# Altium PCB 0.PCB1.PcbDoc (part 6 of 12)
Units mm, origin at the board's own origin, x right, y up, seen from the top; angles counter-clockwise.
Board outline 77 x 72 mm, 6 copper layers (Top Layer, Layer 1, Layer 3, Layer 4, Layer 2, Bottom Layer), stack 1.538 mm thick; 570 components, 490 nets, 3331 pads, 1909 vias.
Unrouted connection lines stored in the file: 2.
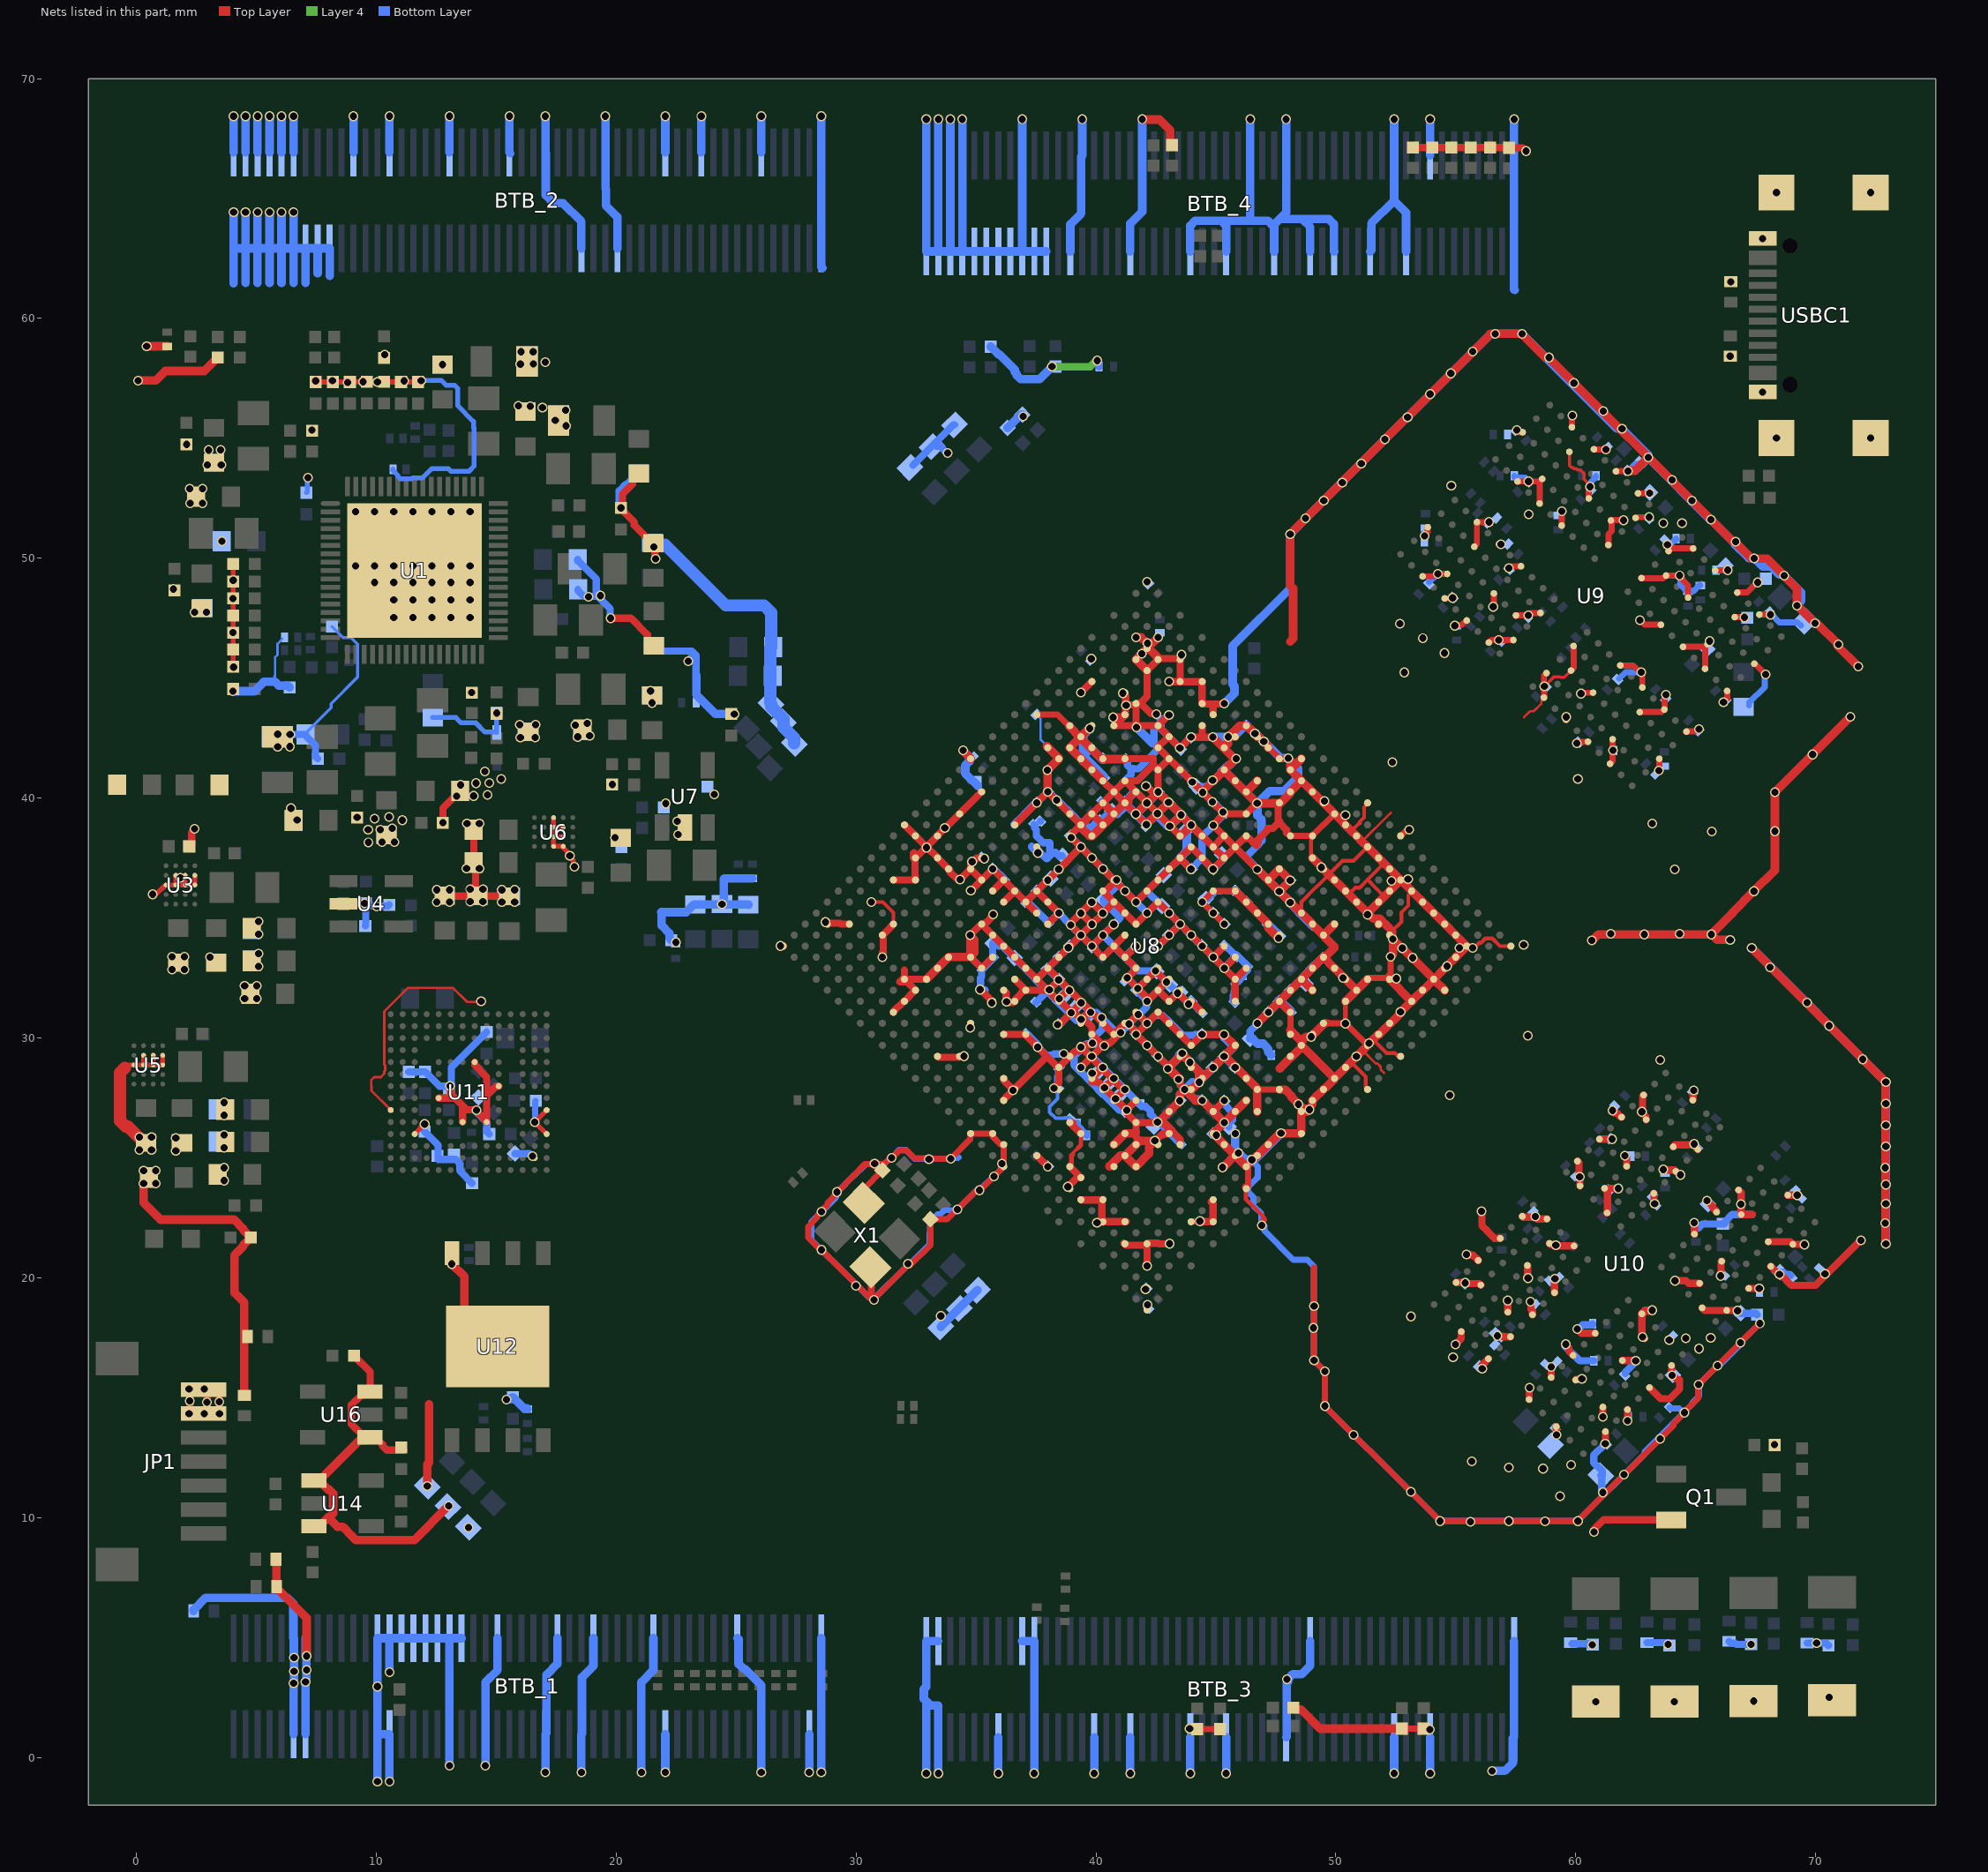
[diagram p10: the nets of this part, all layers, seen from the top]

## Via types
v1: diameter 0.41, hole 0.3, Top Layer to Bottom Layer, tented both sides, 1901 vias
v2: diameter 0.41, hole 0.3, Top Layer to Bottom Layer, 8 vias

## Nets (pads, with @x,y where several pads share a name; then routed paths per layer and width w, separated by ;. In a path a pad name is that pad's centre, name@x,y a point inside that pad or via, vN(x,y) a via of type N, cw(c..) or ccw(c..) an arc to the next point about the centre after c; other vN are vias at no path point) (continued)
GND: BTB_1.6 BTB_1.7 BTB_1.13 BTB_1.14 BTB_1.15 BTB_1.16 BTB_1.17 BTB_1.18 BTB_1.19 BTB_1.20 BTB_1.23 BTB_1.28 BTB_1.31 BTB_1.36 BTB_1.43 BTB_1.50 BTB_1.51 BTB_1.52 BTB_1.56 BTB_1.64 BTB_1.66 BTB_1.71 BTB_1.74 BTB_1.79 BTB_1.82 BTB_1.87 BTB_1.88 BTB_1.94 BTB_1.95 BTB_2.1 BTB_2.2 BTB_2.3 BTB_2.4 BTB_2.5 BTB_2.6 BTB_2.11 BTB_2.14 BTB_2.19 BTB_2.24 BTB_2.27 BTB_2.32 BTB_2.37 BTB_2.40 BTB_2.45 BTB_2.50 BTB_2.51 BTB_2.68 BTB_2.71 BTB_2.92 BTB_2.93 BTB_2.94 BTB_2.95 BTB_2.96 BTB_2.97 BTB_2.98 BTB_2.99 BTB_2.100 BTB_3.1 BTB_3.2 BTB_3.9 BTB_3.10 BTB_3.33 BTB_3.50 BTB_3.51 BTB_3.58 BTB_3.61 BTB_3.70 BTB_3.75 BTB_3.78 BTB_3.83 BTB_3.86 BTB_3.91 BTB_3.94 BTB_3.99 BTB_3.100 BTB_4.1 BTB_4.2 BTB_4.3 BTB_4.4 BTB_4.9 BTB_4.14 BTB_4.19 BTB_4.28 BTB_4.31 BTB_4.40 BTB_4.43 BTB_4.50 BTB_4.51 BTB_4.60 BTB_4.63 BTB_4.66 BTB_4.68 BTB_4.71 BTB_4.75 BTB_4.78 BTB_4.83 BTB_4.88 BTB_4.90 BTB_4.91 BTB_4.92 BTB_4.93 BTB_4.94 BTB_4.95 BTB_4.96 BTB_4.97 BTB_4.98 BTB_4.99 BTB_4.100 C1.2 C2.1 C3.2 C4.1 C5.1 C6.1 C7.1 C8.1 C11.1 C12.1 C13.1 C14.1 C15.1 C16.1 C17.1 C18.1 C19.2 C20.2 C21.1 C22.1 C23.1 C24.1 C27.1 C28.1 C29.1 C30.1 C31.1 C32.1 C33.1 C34.1 C35.1 C36.1 C37.2 C38.2 C39.1 C40.1 C41.1 C44.1 C45.1 C46.1 C47.1 C48.2 C49.2 C50.2 C51.1 C52.1 C53.1 C54.1 C56.1 C57.1 C58.1 C59.1 C60.1 C61.2 C62.2 C63.1 C64.1 C65.1 C66.1 C67.1 C68.1 C69.1 C72.1 C73.1 C74.1 C75.1 C76.1 C77.1 C78.1 C79.1 C80.1 C81.1 C83.1 C84.1 C85.1 C86.1 C87.1 C88.1 C89.1 C90.1 C91.2 C93.1 C94.1 C96.1 C97.1 C98.1 C99.1 C100.1 C101.1 C102.1 C103.1 C104.1 C105.1 C106.1 C107.1 C108.1 C109.1 C110.1 C111.1 C112.1 C113.1 C114.1 C115.1 C116.1 C117.1 C118.1 C119.1 C120.1 C121.1 C122.1 C123.1 C124.1 C125.1 C126.1 C127.1 C128.1 C129.1 C130.1 C131.1 C132.1 C133.1 C134.1 C135.1 C136.1 C137.1 C138.1 C139.1 C140.1 C141.1 C142.1 C143.1 C144.1 C145.1 C146.1 C147.1 C148.1 C149.1 C150.1 C151.1 C152.1 C153.1 C154.1 C155.1 C156.1 C157.1 C158.1 C159.1 C160.1 C161.1 C162.1 C163.1 C164.1 C165.1 C166.1 C167.1 C168.1 C169.1 C170.1 C171.1 C172.1 C173.1 C174.1 C175.1 C176.1 C177.1 C178.1 C179.1 C180.1 C181.1 C182.1 C183.1 C184.1 C185.1 C186.1 C187.1 C188.1 C189.1 C190.1 C191.1 C192.1 C193.1 C194.1 C195.1 C196.1 C197.1 C198.1 C199.1 C200.1 C201.1 C202.1 C203.1 C204.1 C205.1 C206.1 C207.1 C208.1 C209.1 C210.1 C211.1 C212.1 C213.1 C214.1 C215.1 C216.1 C217.1 C218.1 C219.1 C220.1 C221.1 C222.1 C223.1 C224.1 C225.1 C226.1 C227.1 C228.1 C229.1 C230.2 C231.2 C232.2 C233.2 C234.2 C237.1 C239.1 C240.1 C241.1 C242.2 C244.1 C245.1 C248.1 C249.1 C252.1 C253.1 C256.1 C257.1 C260.1 C262.1 C263.1 C264.1 C265.1 C266.1 C267.1 C270.1 C272.1 C273.1 C274.1 C277.1 C278.1 C279.1 C280.1 C281.1 C282.1 C283.1 C284.1 C285.1 C286.1 C287.1 C288.1 C291.1 C292.1 C293.1 C294.1 C295.1 C296.1 C297.1 C298.1 C299.1 C300.1 C301.1 C302.1 C303.1 C304.1 C305.1 C306.1 C307.1 C308.1 C309.1 C310.1 C311.1 C312.1 C313.1 C314.1 C315.1 C316.1 C317.1 C318.1 C319.1 C320.1 C321.1 C322.1 C323.1 C324.1 C325.1 C326.1 C327.1 C328.1 C329.1 C330.1 C331.1 C332.1 C333.1 C334.1 C335.1 C336.1 C337.1 C338.1 C339.1 C340.1 C341.1 C342.1 C343.1 C344.1 C345.1 C346.1 C347.1 C348.1 C349.1 C350.1 C351.1 C352.1 C353.1 C354.1 C355.1 C356.1 C357.1 C358.1 C359.1 C360.1 C361.1 C362.1 C363.1 C364.1 C365.1 C366.1 C367.1 C368.1 C369.1 C370.1 C371.1 C372.1 C373.1 C374.1 C375.1 C376.1 C377.1 C378.1 C379.1 C380.1 C381.1 C382.1 C383.1 C384.1 C385.2 C386.2 C387.2 C388.2 C389.2 C390.2 C391.2 C392.2 C393.1 C394.1 C395.1 C396.1 C397.1 C398.2 C399.2 C400.1 C401.1 C402.1 C403.1 JP1.6 JP1.7 Q1.2 R5.1 R9.1 R11.1 R13.1 R15.1 R17.1 R22.1 R23.1 R28.1 R40.1 R42.1 R50.1 R54.2 R55.2 R56.2 R57.2 R58.2 R59.2 R63.1 R64.1 R69.2 R70.2 R72.2 R73.2 R108.1 R120.1 R121.1 R124.1 R125.1 R134.1 R137.2 R139.2 R140.2 R141.2 R143.2 R144.2 R145.2 R146.2 SW1.1 SW2.1 SW3.1 SW4.1 U1.69 U2.2 U3.B2 U3.B3 U3.B4 U3.C1 U3.C2 U3.C3 U3.C4 U4.2 U5.B2 U5.B3 U5.B4 U5.C1 U5.C2 U5.C3 U5.C4 U6.B2 U6.B3 U6.B4 U6.C1 U6.C2 U6.C3 U6.C4 U7.2 U8.A1 U8.A11 U8.A14 U8.A34 U8.AA3 U8.AA6 U8.AA8 U8.AA10 U8.AA11 U8.AA16 U8.AA17 U8.AA18 U8.AA19 U8.AA20 U8.AA21 U8.AA22 U8.AA23 U8.AA24 U8.AA25 U8.AA26 U8.AA31 U8.AB3 U8.AB5 U8.AB6 U8.AB7 U8.AB8 U8.AB10 U8.AB11 U8.AB16 U8.AB17 U8.AB18 U8.AB19 U8.AB20 U8.AB24 U8.AB25 U8.AB26 U8.AB27 U8.AB29 U8.AB32 U8.AC3 U8.AC4 U8.AC5 U8.AC8 U8.AC10 U8.AC11 U8.AC12 U8.AC16 U8.AC20 U8.AC21 U8.AC24 U8.AC27 U8.AD5 U8.AD8 U8.AD10 U8.AD11 U8.AD12 U8.AD16 U8.AD20 U8.AD21 U8.AD24 U8.AD25 U8.AD26 U8.AE3 U8.AE4 U8.AE5 U8.AE6 U8.AE7 U8.AE8 U8.AE9 U8.AE11 U8.AE12 U8.AE13 U8.AE14 U8.AE15 U8.AE16 U8.AE18 U8.AE19 U8.AE20 U8.AE21 U8.AE24 U8.AE26 U8.AF4 U8.AF7 U8.AF8 U8.AF11 U8.AF12 U8.AF13 U8.AF14 U8.AF15 U8.AF16 U8.AF21 U8.AF22 U8.AF24 U8.AF25 U8.AF27 U8.AF28 U8.AF29 U8.AF30 U8.AF31 U8.AF32 U8.AG3 U8.AG6 U8.AG7 U8.AG10 U8.AG12 U8.AG15 U8.AG18 U8.AG21 U8.AG22 U8.AG30 U8.AH4 U8.AH8 U8.AH11 U8.AH12 U8.AH15 U8.AH21 U8.AH22 U8.AH23 U8.AJ3 U8.AJ7 U8.AJ8 U8.AJ9 U8.AJ11 U8.AJ12 U8.AJ15 U8.AJ16 U8.AJ18 U8.AJ21 U8.AJ22 U8.AJ23 U8.AJ30 U8.AK4 U8.AK5 U8.AK7 U8.AK10 U8.AK11 U8.AK12 U8.AK13 U8.AK14 U8.AK23 U8.AK28 U8.AK29 U8.AL3 U8.AL4 U8.AL5 U8.AL11 U8.AL13 U8.AL23 U8.AL25 U8.AM4 U8.AM8 U8.AM9 U8.AM18 U8.AM20 U8.AM22 U8.AM23 U8.AM24 U8.AM26 U8.AM28 U8.AM30 U8.AN7 U8.AN12 U8.AN23 U8.AN31 U8.AP1 U8.AP17 U8.AP23 U8.AP34 U8.B6 U8.B19 U8.B24 U8.B27 U8.B33 U8.C3 U8.C4 U8.C5 U8.C6 U8.C7 U8.C8 U8.C9 U8.C10 U8.C11 U8.C12 U8.C13 U8.C14 U8.C15 U8.C16 U8.C17 U8.C18 U8.C20 U8.C21 U8.C22 U8.C23 U8.C26 U8.C28 U8.C30 U8.C32 U8.D3 U8.D23 U8.D24 U8.D31 U8.E3 U8.E6 U8.E8 U8.E12 U8.E18 U8.E20 U8.E22 U8.E23 U8.E32 U8.F3 U8.F7 U8.F9 U8.F10 U8.F11 U8.F13 U8.F14 U8.F15 U8.F16 U8.F19 U8.F20 U8.F21 U8.F22 U8.F23 U8.F31 U8.G3 U8.G6 U8.G10 U8.G15 U8.G19 U8.G21 U8.G22 U8.G25 U8.G32 U8.H3 U8.H6 U8.H10 U8.H12 U8.H14 U8.H19 U8.H22 U8.H25 U8.H26 U8.H28 U8.H31 U8.J3 U8.J4 U8.J5 U8.J6 U8.J10 U8.J11 U8.J12 U8.J13 U8.J14 U8.J15 U8.J16 U8.J18 U8.J19 U8.J20 U8.J21 U8.J22 U8.J23 U8.J24 U8.J25 U8.J27 U8.J28 U8.J29 U8.J32 U8.K3 U8.K6 U8.K8 U8.K9 U8.K18 U8.K21 U8.K22 U8.K26 U8.K27 U8.K28 U8.K31 U8.K32 U8.L1 U8.L3 U8.L6 U8.L9 U8.L16 U8.L19 U8.L20 U8.L21 U8.L22 U8.L25 U8.L26 U8.L31 U8.M3 U8.M6 U8.M9 U8.M11 U8.M14 U8.M15 U8.M18 U8.M20 U8.M22 U8.M25 U8.M26 U8.M29 U8.M32 U8.N3 U8.N6 U8.N9 U8.N11 U8.N14 U8.N15 U8.N18 U8.N20 U8.N22 U8.N25 U8.N26 U8.N29 U8.N32 U8.P1 U8.P3 U8.P6 U8.P8 U8.P9 U8.P11 U8.P14 U8.P15 U8.P18 U8.P19 U8.P20 U8.P21 U8.P22 U8.P25 U8.P26 U8.P34 U8.R3 U8.R5 U8.R8 U8.R9 U8.R11 U8.R13 U8.R15 U8.R18 U8.R19 U8.R20 U8.R21 U8.R22 U8.R23 U8.R24 U8.R25 U8.R26 U8.R28 U8.R33 U8.T3 U8.T6 U8.T9 U8.T11 U8.T13 U8.T15 U8.T18 U8.T19 U8.T20 U8.T23 U8.T24 U8.T25 U8.T26 U8.T27 U8.T33 U8.U3 U8.U12 U8.U13 U8.U15 U8.U16 U8.U17 U8.U19 U8.U20 U8.U23 U8.U24 U8.U30 U8.U31 U8.U34 U8.V3 U8.V4 U8.V5 U8.V8 U8.V9 U8.V10 U8.V11 U8.V15 U8.V18 U8.V19 U8.V23 U8.V24 U8.V25 U8.V27 U8.V30 U8.W2 U8.W3 U8.W6 U8.W7 U8.W9 U8.W10 U8.W11 U8.W12 U8.W15 U8.W16 U8.W17 U8.W18 U8.W19 U8.W20 U8.W23 U8.W24 U8.W27 U8.Y3 U8.Y5 U8.Y6 U8.Y8 U8.Y9 U8.Y10 U8.Y11 U8.Y12 U8.Y13 U8.Y14 U8.Y15 U8.Y16 U8.Y17 U8.Y18 U8.Y19 U8.Y20 U8.Y23 U8.Y24 U8.Y28 U9.A3 U9.A10 U9.AB3 U9.AB5 U9.AB8 U9.AB10 U9.C1 U9.C5 U9.C8 U9.C12 U9.D2 U9.D4 U9.D9 U9.D11 U9.E1 U9.E5 U9.E8 U9.E12 U9.G1 U9.G3 U9.G5 U9.G8 U9.G10 U9.G12 U9.J1 U9.J3 U9.J10 U9.J12 U9.K2 U9.K4 U9.K9 U9.K11 U9.N2 U9.N4 U9.N9 U9.N11 U9.P1 U9.P3 U9.P10 U9.P12 U9.T1 U9.T3 U9.T5 U9.T8 U9.T10 U9.T12 U9.V1 U9.V5 U9.V8 U9.V12 U9.W2 U9.W4 U9.W9 U9.W11 U9.Y1 U9.Y5 U9.Y8 U9.Y12 U10.A3 U10.A10 U10.AB3 U10.AB5 U10.AB8 U10.AB10 U10.C1 U10.C5 U10.C8 U10.C12 U10.D2 U10.D4 U10.D9 U10.D11 U10.E1 U10.E5 U10.E8 U10.E12 U10.G1 U10.G3 U10.G5 U10.G8 U10.G10 U10.G12 U10.J1 U10.J3 U10.J10 U10.J12 U10.K2 U10.K4 U10.K9 U10.K11 U10.N2 U10.N4 U10.N9 U10.N11 U10.P1 U10.P3 U10.P10 U10.P12 U10.T1 U10.T3 U10.T5 U10.T8 U10.T10 U10.T12 U10.V1 U10.V5 U10.V8 U10.V12 U10.W2 U10.W4 U10.W9 U10.W11 U10.Y1 U10.Y5 U10.Y8 U10.Y12 U11.A6 U11.C4 U11.E7 U11.G5 U11.H10 U11.J5 U11.K8 U11.N2 U11.N5 U11.P4 U11.P6 U12.4 U12.9 U13.1 U14.1 U14.3 U15.1 U16.1 U16.3 U17.1 U18.1 U19.1 U20.1 U21.1 U22.1 U23.1 U24.1 U25.1 USBC1.13 USBC1.14 USBC1.15 USBC1.16 USBC1.A1B12 USBC1.B1A12 X1.2 X1.4 | length 1317.1
  Top Layer w0.102: U11.A6@10.602,26.991 9.796,27.797 9.796,27.996 9.788,28.004 9.788,28.238 9.915,28.364 9.982,28.364 10.192,28.365 10.335,28.507 10.335,28.601 10.366,28.633 10.366,28.849 10.335,28.88 10.335,31.101 11.324,32.091 13.191,32.091 13.781,31.5 14.342,31.5 v1(14.368,31.527) ; 51.093,38.192 52.281,39.381 52.293,39.381 ; 51.122,29.488 51.392,29.218 51.392,29.207 51.661,28.937 51.732,28.937 51.873,28.796 51.873,28.682 52.014,28.541 ; 57.847,43.369 58.097,43.618 58.247,43.618 58.346,43.717 58.36,43.717 58.564,43.921 58.564,44.025 58.676,44.137 U9.P1@58.676,44.185
  Top Layer w0.127: v1@58.658,44.778 58.676,44.76 58.688,44.748 58.788,44.748 59.086,45.046 59.364,45.046 59.371,45.038 59.529,45.038 U9.P3@59.807,45.317 ; U9.D11@59.737,54.438 59.737,53.869 59.811,53.795 59.87,53.795 59.938,53.726 60.031,53.726 60.074,53.684 60.202,53.684 60.35,53.536 60.35,53.293 60.548,53.094 v1@60.548,53.046
  Top Layer w0.142: v1(30.64,35.664) 31.117,35.664 31.559,35.222 U8.AK28@31.559,34.814 ; 39.034,25.144 39.034,25.197 39.243,25.406
  Top Layer w0.156: 46.407,23.122 46.998,22.532 46.998,22.439 ; U8.M9@48.565,35.205 48.565,35.671 49.239,36.345 49.245,36.345 49.651,36.752 49.651,36.853 ; U8.P6@48.965,37.539 48.965,38.237 48.997,38.269 48.997,38.394 U8.R5@49.025,38.422 ; 49.727,36.904 49.798,36.904 50.28,37.387 50.744,37.387 51.32,37.962 U8.M3@51.323,37.962 ; 50.566,36.015 50.815,36.264 50.996,36.264 51.329,36.598 ; 50.651,38.633 50.96,38.942 51.003,38.942 51.003,39.014 51.183,39.193 51.183,39.622 51.323,39.762 U8.P1@51.323,39.801 ; 50.722,28.903 51.247,28.379 51.247,27.926 U8.A14@51.323,27.85 ; 51.583,29.957 51.583,29.896 52.11,29.369 52.462,29.369 52.574,29.257 52.674,29.257 U8.A11@52.701,29.229 ; 51.918,37.367 51.918,37.186 51.329,36.598 ; 51.988,35.964 51.949,35.964 51.463,36.451 51.463,36.464 51.329,36.598 ; 52.132,34.642 52.132,34.664 ; 52.347,34.449 52.74,34.843 52.74,35.235 53.021,35.517 53.021,35.945 53.161,36.085 U8.H3@53.161,36.124 ; v1(55.705,33.758) 55.774,33.758 55.981,33.965 56.051,33.965 56.231,34.145 56.526,34.145 56.846,33.826 U8.A1@57.298,33.826
  Top Layer w0.182: U8.B24@46.248,23.721 46.248,23.282 46.407,23.122
  Top Layer w0.192: 39.243,25.406 39.372,25.535 U8.M29@39.372,26.012
  Top Layer w0.202: U8.L31@38.983,24.636 38.983,25.093 39.034,25.144
  Top Layer w0.203: -0.276,28.871 U5.C1@-0.101,28.871 U5.C2@0.299,28.871 ; U5.B2@0.299,29.271 U5.C2@0.299,28.871 ; v1(0.677,35.987) 0.717,36.027 0.857,36.027 1.111,36.281 1.142,36.281 U3.C1@1.237,36.376 U3.C2@1.637,36.376 ; U5.B3@0.699,29.271 U5.C3@0.699,28.871 ; U5.B4@1.099,29.271 U5.C4@1.099,28.871 U5.C3@0.699,28.871 ; U3.B2@1.637,36.776 U3.C2@1.637,36.376 ; U3.B3@2.037,36.776 U3.C3@2.037,36.376 ; U3.B4@2.437,36.776 U3.C4@2.437,36.376 U3.C3@2.037,36.376 ; C36.1@4.036,49.57 v1(4.036,49.083) C35.1@4.036,49.031 4.036,45.508 C21.1@4.041,45.503 ; v1(7.476,57.393) 7.521,57.348 C16.1@8.898,57.348 8.902,57.352 9.363,57.352 C2.1@9.366,57.355 ; v1(9.448,57.356) C2.1@9.609,57.355 9.612,57.353 10.043,57.353 v1(10.046,57.35) 10.048,57.353 10.316,57.353 10.32,57.348 C5.1@11.032,57.348 C15.1@11.743,57.348 11.794,57.4 v1(11.868,57.4) ; U11.C4@11.602,25.991 v1(12.014,26.403) ; U11.P4@17.102,25.991 v1(16.602,26.491) U11.P6@17.102,26.991 ; U6.C1@17.393,39.184 U6.C2@17.393,38.784 ; U6.B3@17.793,38.384 U6.C3@17.393,38.384 ; U6.B2@17.793,38.784 U6.C2@17.393,38.784 ; v1(18.259,37.131) 18.219,37.171 18.219,37.384 18.066,37.537 18.066,37.649 17.793,37.922 U6.B4@17.793,37.984 U6.C4@17.393,37.984 U6.C3@17.393,38.384 ; 42.819,25.906 42.866,25.953 42.964,25.953 43.023,26.012 43.028,26.016 43.045,26.016 43.156,26.127 43.175,26.147 ; U5.C2@0.299,28.871 U5.C3@0.699,28.871 ; U3.C2@1.637,36.376 U3.C3@2.037,36.376 ; U6.C3@17.393,38.384 U6.C2@17.393,38.784
  Top Layer w0.213: v1(50.4,30.599) 50.404,30.603 U8.E12@50.404,30.608 U8.F11@50.404,31.527
  Top Layer w0.254: 28.382,22.564 28.382,22.511 28.006,22.135 28.006,21.676 28.476,21.206 28.521,21.206 v1(28.565,21.162) 30.616,19.111 30.716,19.111 v1(30.754,19.073) ; v1@28.43,22.612 v1(28.565,22.747) 28.565,22.8 28.809,23.044 28.809,23.125 29.206,23.521 v1(29.206,23.574) ; v1@29.214,23.568 29.883,24.237 29.897,24.237 ; 29.901,24.254 29.901,24.269 30.372,24.739 31.179,24.739 31.442,25.002 v1(31.484,25.002) ; X1.4@30.32,23.121 30.32,23.697 C172.1@31.101,24.478 30.963,24.478 v1@30.701,24.739 ; v1@30.755,24.739 v1(30.776,24.76) ; v1@30.783,19.15 32.163,20.53 v1(32.163,20.577) ; v1@31.541,25.068 31.575,25.068 31.822,25.315 32.104,25.315 32.441,24.978 33.002,24.978 v1(33.04,24.941) ; v1@32.24,20.501 33.102,21.363 33.102,21.885 33.094,21.893 ; v1@33.04,24.953 33.941,24.953 34.768,25.78 34.768,26.003 U8.U34@34.777,26.012 U8.T33@35.687,26.012 ; 33.102,21.901 C174.1@33.102,22.44 33.807,22.44 34.213,22.847 v1(34.229,22.847) ; v1@34.23,22.846 34.999,23.615 35.118,23.615 v1(35.148,23.645) ; v1@35.161,23.633 v1(35.757,24.229) ; U8.T33@35.687,26.011 35.687,25.9 36.035,25.552 U8.R33@36.155,25.552 36.155,24.883 36.088,24.816 v1(36.088,24.763) ; v1@35.755,24.232 U8.P34@36.155,24.633 ; U8.AN12@37.534,43.477 38.399,43.477 U8.AL11@38.913,42.964 ; v1(43.911,1.192) 43.917,1.186 44.21,1.186 R121.1@44.216,1.18 R120.1@45.181,1.18 ; U8.C28@43.969,22.335 43.978,22.344 44.319,22.344 v1(44.334,22.358) ; v1(45.346,34.74) 45.346,34.746 44.433,35.659 v1(44.427,35.659) 44.427,35.662 U8.U12@44.888,36.123 U8.T11@45.807,36.123 ; U8.B24@46.267,23.778 46.35,23.861 46.35,24.538 46.267,24.621 U8.C23@46.267,24.633 ; U8.F19@46.724,27.844 U8.E18@47.525,27.844 ; v1(46.919,22.185) 46.949,22.215 46.949,22.358 47.014,22.423 46.998,22.439 ; U8.AA3@47.193,42.105 U8.Y3@47.646,41.653 ; U8.Y3@47.646,41.639 47.655,41.648 48.002,41.648 v1(48.015,41.661) ; 48.104,30.313 U8.H14@48.104,31.064 ; U8.T6@48.106,38.422 49.015,38.422 49.477,38.884 49.487,38.884 U8.R3@49.944,39.341 ; 49.092,20.419 v1(49.092,18.819) v1(49.092,16.559) v1(49.55,16.101) 49.55,14.647 v1(50.743,13.452) ; U8.F13@49.581,30.62 49.752,30.62 49.764,30.608 50.391,30.608 v1(50.4,30.599) 50.412,30.599 51.217,29.795 U8.C12@51.323,29.689 ; v1@50.764,13.435 51.946,12.253 51.95,12.253 v1(53.131,11.072) v1(54.35,9.853) v1(57.22,9.853) 58.71,9.853 v1(58.72,9.843) ; U8.F9@51.384,32.508 U8.E8@52.193,32.508 ; 52.217,32.611 52.288,32.683 v1(52.288,33.389) ; U8.L1@52.701,38.422 52.714,38.422 52.946,38.654 53.023,38.654 v1(53.053,38.684) ; R124.1@52.75,1.198 R125.1@53.664,1.198 53.68,1.182 53.902,1.182 v1(53.918,1.166) ; U9.C1@53.62,49.241 53.625,49.246 54.092,49.246 54.196,49.35 v1(54.249,49.35) 54.25,49.349 U9.D2@54.646,49.347 U9.D2@54.646,49.347 ; v1(53.708,50.925) 53.708,50.978 53.827,51.098 53.827,51.287 U9.A3@53.832,51.292 ; U9.E1@54.539,48.322 54.544,48.327 54.853,48.327 v1(54.872,48.346) ; v1(54.964,47.187) 55.001,47.224 55.273,47.224 55.452,47.402 U9.G1@55.459,47.402 ; U9.D4@55.777,50.478 55.777,50.485 55.883,50.592 U9.C5@55.883,51.504 56.377,51.504 v1(56.382,51.509) ; U9.J1@56.378,46.483 56.385,46.483 56.491,46.589 v1(56.789,46.589) U9.K2@57.403,46.589 ; v1(56.562,47.978) 56.585,48.001 56.585,48.529 U9.G3@56.59,48.534 ; U9.E5@56.802,50.584 56.88,50.584 v1(56.881,50.583) ; v1(57.212,49.59) 57.254,49.59 57.324,49.66 57.716,49.66 U9.G5@57.721,49.665 ; U9.J3@57.509,47.615 57.513,47.618 58.015,47.618 v1(58.018,47.622) ; v1(57.546,55.35) 57.589,55.35 57.682,55.256 57.787,55.256 U9.A10@57.792,55.251 ; U9.C8@57.58,53.201 v1(58.033,53.201) 58.492,53.201 ; v1@58.029,47.62 58.125,47.716 58.53,47.716 U9.K4@58.535,47.721 ; U9.E8@58.499,52.282 58.499,53.194 58.492,53.201 ; U9.D9@58.605,53.307 58.598,53.307 58.492,53.201 ; U9.P1@58.676,44.185 58.676,44.192 58.693,44.209 58.693,44.565 58.696,44.568 v1(58.696,44.656) ; v1@58.676,44.641 58.676,44.76 58.676,45.097 58.782,45.203 U9.N2@58.782,45.21 ; v1@58.719,9.853 v1(60.091,9.853) 63.526,13.288 64.07,13.832 64.07,13.909 v1(64.536,14.375) ; U9.G8@59.419,51.362 59.421,51.365 59.421,51.96 v1(59.424,51.963) ; U9.T1@59.595,43.266 59.595,43.368 v1(59.608,43.381) ; U9.P3@59.807,45.317 59.807,45.324 59.913,45.43 U9.N4@59.913,46.342 ; U9.C12@59.843,55.463 59.843,55.935 v1(59.862,55.954) ; v1(60.049,42.28) 60.102,42.28 60.164,42.342 60.51,42.342 U9.V1@60.515,42.347 ; v1(60.224,44.354) 60.266,44.354 60.305,44.392 60.722,44.392 U9.T3@60.727,44.397 ; U9.G10@60.55,52.494 60.55,52.933 v1(60.599,52.982) ; U9.E12@60.762,54.544 60.764,54.542 61.257,54.542 v1(61.26,54.539) ; U9.K9@61.363,50.549 61.368,50.554 61.368,51.008 61.497,51.137 U9.J10@61.497,51.585 ; U9.Y1@61.434,41.427 61.434,41.434 61.54,41.541 61.54,41.978 v1(61.559,41.997) ; U9.J10@61.469,51.574 61.474,51.579 61.491,51.579 U9.J10@61.497,51.585 ; v1@61.54,41.997 U9.W2@61.54,42.453 ; U9.G12@61.681,53.625 61.686,53.63 62.171,53.63 v1(62.176,53.634) ; U9.T5@61.858,45.529 62.405,45.529 62.688,45.246 v1(62.73,45.246) 62.73,45.204 62.777,45.156 U9.V5@62.777,44.609 ; v1(61.996,51.585) U9.J10@61.497,51.585 ; U9.K11@62.494,51.68 62.526,51.712 v1(63.062,51.712) ; U9.J12@62.6,52.706 63.085,52.706 63.085,52.712 v1(63.088,52.715) ; U9.W4@62.671,43.584 63.583,43.584 63.701,43.702 63.701,44.196 63.766,44.26 v1(63.766,44.303) ; v1(62.681,47.42) 62.875,47.226 U9.T8@63.555,47.226 ; U9.N9@62.742,49.17 63.654,49.17 63.76,49.276 U9.P10@63.767,49.276 64.323,49.276 v1(64.328,49.281) 64.328,49.228 64.681,48.874 64.681,48.362 U9.T10@64.686,48.357 ; v1(63.469,41.145) 63.479,41.156 63.479,41.635 U9.AB3@63.484,41.64 ; 63.986,50.408 U9.P12@64.899,50.408 ; U9.V8@64.474,46.306 65.387,46.306 ; v1@64.536,14.4 65.108,14.972 65.108,15.527 v1(65.122,15.541) ; U9.AB5@64.616,42.771 64.621,42.776 64.995,42.776 65.092,42.873 v1(65.145,42.873) ; v1@65.145,15.541 65.145,15.564 v1(65.915,16.335) ; U9.Y8@65.394,45.387 65.394,46.299 65.498,46.404 65.501,46.404 U9.W9@65.501,46.411 ; U9.W9@65.5,46.413 U9.W9@65.501,46.411 ; v1(65.578,46.546) 65.549,46.516 65.549,46.469 65.501,46.421 U9.W9@65.501,46.411 ; U9.T12@65.818,49.488 66.325,49.488 v1(66.339,49.502) ; v1@65.939,16.335 65.939,16.36 66.849,17.27 66.898,17.27 66.898,17.319 67.673,18.093 v1(67.674,18.093) ; v1(66.161,43.991) 66.313,44.142 U9.AB8@66.313,44.468 ; U9.W11@66.631,47.544 66.634,47.541 67.036,47.541 v1(67.038,47.539) ; U9.V12@66.737,48.569 67.155,48.569 67.576,48.99 v1(67.591,48.99) ; U9.AB10@67.444,45.599 67.449,45.594 67.478,45.594 v1(67.914,45.159) ; U9.Y12@67.657,47.649 v1(68.117,47.648)